# KiCad board poly_kb_wave_left.kicad_pcb (continued)
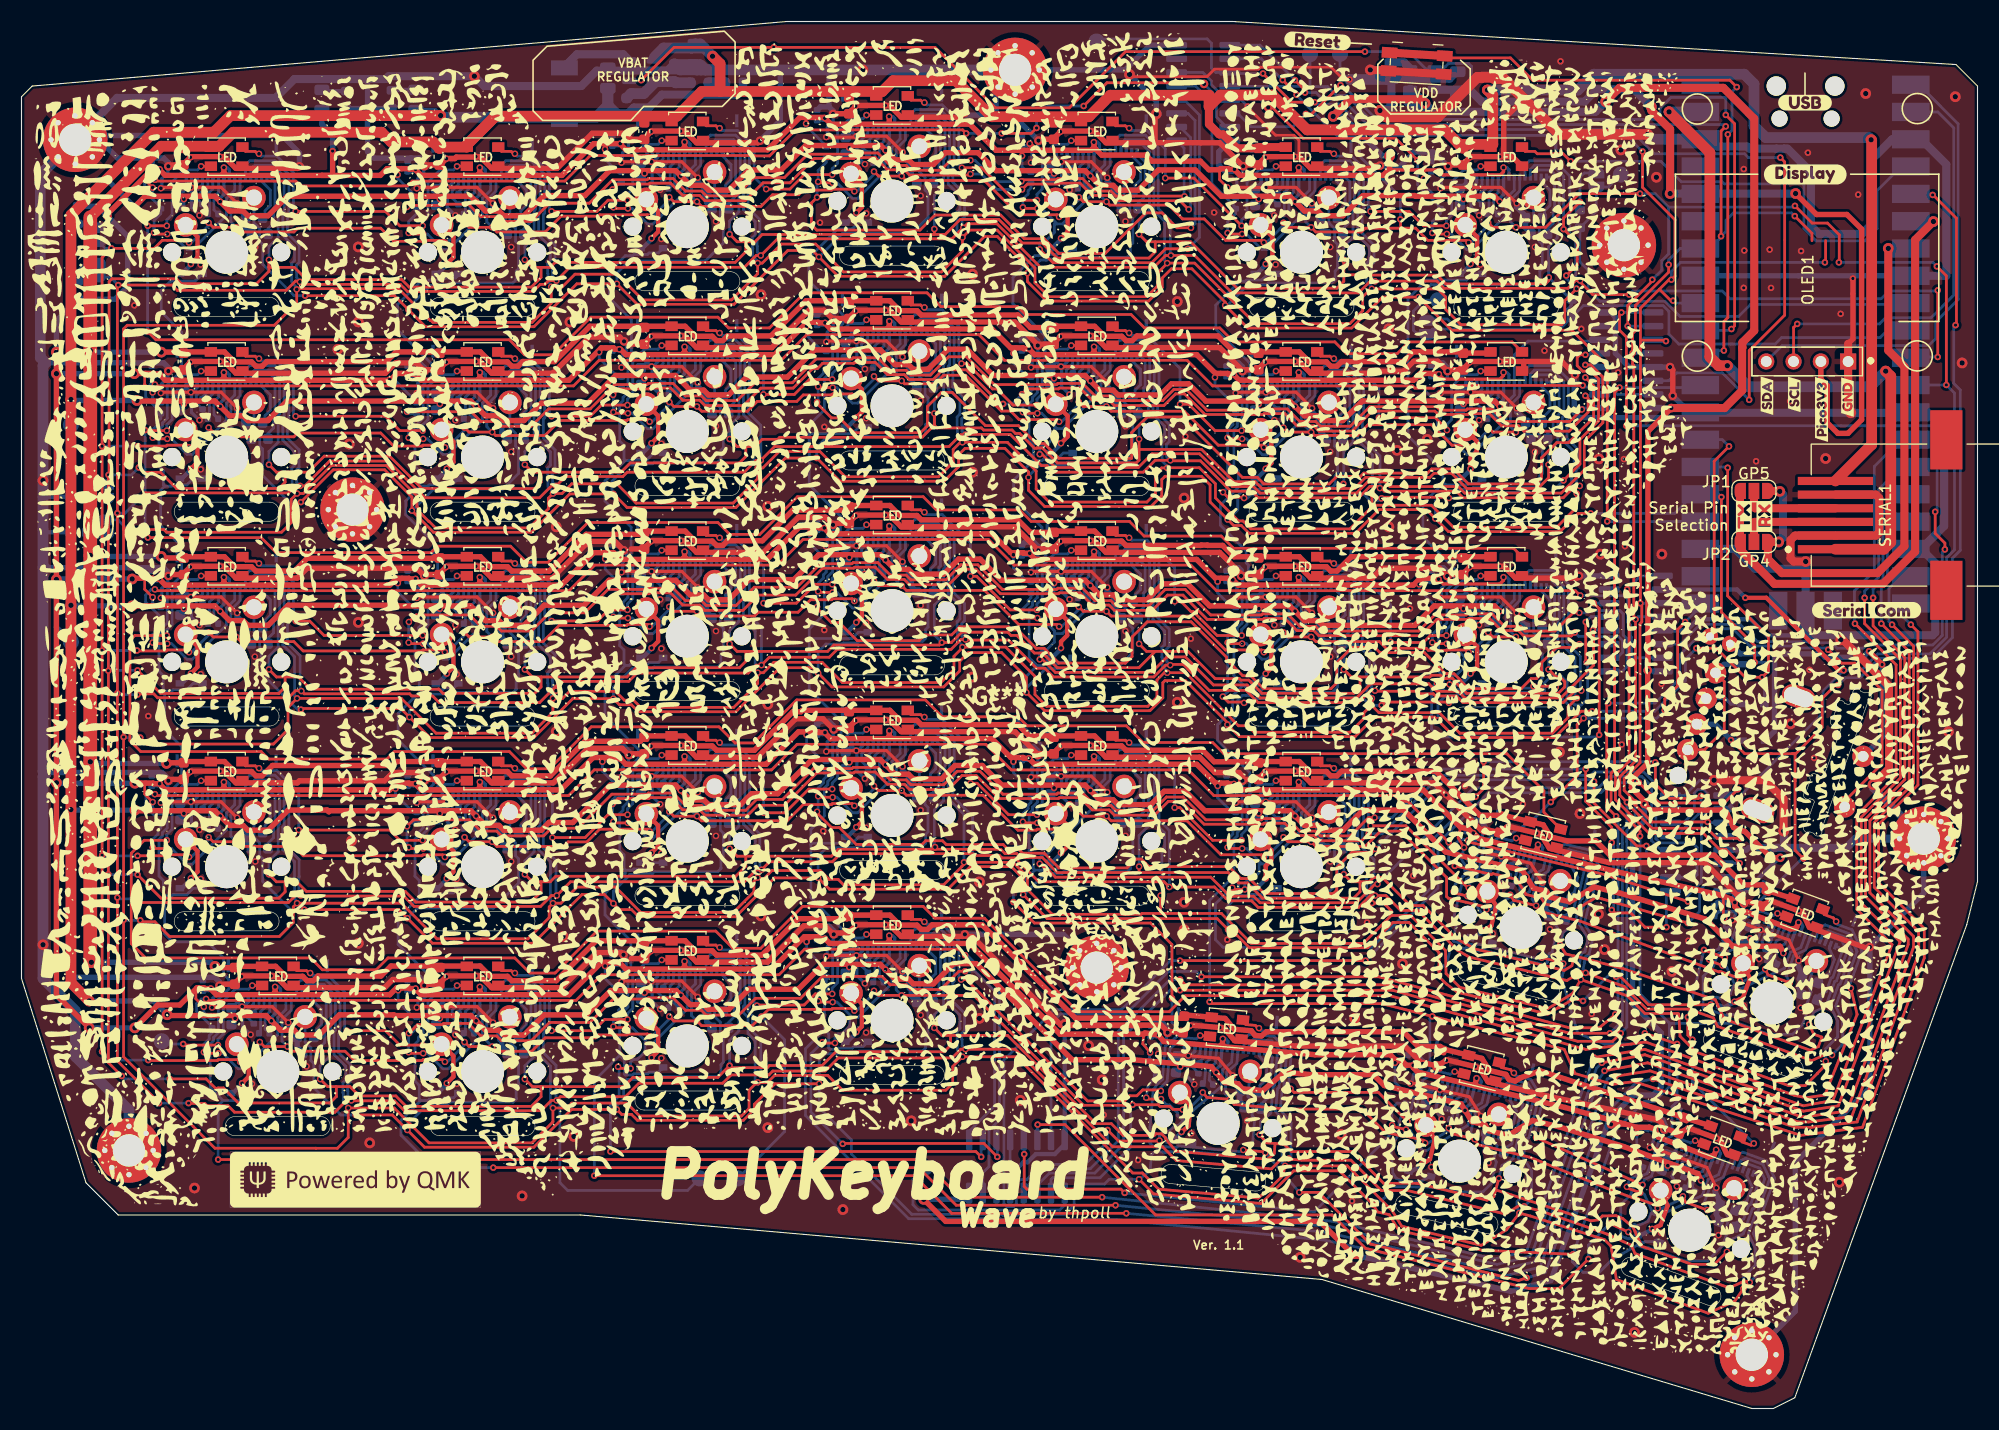
[diagram p0: board, top side]
## Placement (name value [footprint] x y rotation side) (continued)
D1_29  D_Small  [D_SOD-323Ext]  20.55 29.34 180 bottom
D1_30  D_Small  [D_SOD-323Ext]  39.6 29.34 180 bottom
D1_31  D_Small  [D_SOD-323Ext]  58.65 31.72 180 bottom
D1_32  D_Small  [D_SOD-323Ext]  77.7 34.1 180 bottom
D1_33  D_Small  [D_SOD-323Ext]  107.88 24.81 175 bottom
D1_34  D_Small  [D_SOD-323Ext]  130.12 21.83 166.5 bottom
D1_35  D_Small  [D_SOD-323Ext]  151.44 15.83 160 bottom
D1_36  D_Small  [D_SOD-323Ext]  159.1 36.97 160 bottom
D5  Blue  [LED_0805_2012Metric]  27.95 121.7 270 bottom
D6  Yellow  [LED_0805_2012Metric]  36.7 121.7 270 bottom
D10  D_Small  [D_SOD-323Ext]  161.25 69.21 0 bottom
D11  D_Small  [D_SOD-323Ext]  161.12 65.52 0 bottom
D12  D_Small  [D_SOD-323Ext]  161.19 62.12 0 bottom
ENC1  RotaryEncoder_Switch  [EVQWGD001_ALPS-EC11]  161.77 62.71 70 top
G***  LOGO  [background]  90.95 66.2 0 top
H1  MountingHole_Pad  [MountingHole_3mm_Pad_Via]  100.05 41 0 top
H2  MountingHole_Pad  [MountingHole_3mm_Pad_Via]  10 24 0 top
H3  MountingHole_Pad  [MountingHole_3mm_Pad_Via]  161 5 0 top
H4  MountingHole_Pad  [MountingHole_3mm_Pad_Via]  177 53 0 top
H5  MountingHole_Pad  [MountingHole_3mm_Pad_Via]  92.45 124.5 0 top
H6  MountingHole_Pad  [MountingHole_3mm_Pad_Via]  5 118 0 top
H7  MountingHole_Pad  [MountingHole_3mm_Pad_Via]  30.8 83.6 0 top
H8  MountingHole_Pad  [MountingHole_3mm_Pad_Via]  149.1 108.2 0 top
JP1  RX_SEL  [SolderJumper-3_P1.3mm_Open_RoundedPad1.0x1.5mm_NumberLabels]  161.2 85.34 0 top
JP2  TX_SEL  [SolderJumper-3_P1.3mm_Open_RoundedPad1.0x1.5mm_NumberLabels]  161.2 80.6 0 top
JP3  SolderJumper_2_Open  [SolderJumper-2_P1.3mm_Open_RoundedPad1.0x1.5mm]  7.09 109.18 270 bottom
JP4  SolderJumper_2_Open  [SolderJumper-2_P1.3mm_Open_RoundedPad1.0x1.5mm]  7.09 105.88 270 bottom
JP5  SolderJumper_2_Open  [SolderJumper-2_P1.3mm_Open_RoundedPad1.0x1.5mm]  7.85 85.3 90 bottom
JP6  SolderJumper_2_Open  [SolderJumper-2_P1.3mm_Open_RoundedPad1.0x1.5mm]  7.85 82 90 bottom
JP7  SolderJumper_2_Open  [SolderJumper-2_P1.3mm_Open_RoundedPad1.0x1.5mm]  146.53 114.26 270 bottom
JP8  SolderJumper_2_Open  [SolderJumper-2_P1.3mm_Open_RoundedPad1.0x1.5mm]  130.78 100.54 270 bottom
kibuzzard-62D681A5  G***  [kibuzzard-62D681A5]  69.19 107.53 0 top
kibuzzard-62D681D2  G***  [kibuzzard-62D681D2]  88.37 109.82 0 top
kibuzzard-62D681EA  G***  [kibuzzard-62D681EA]  107.29 107.4 0 top
kibuzzard-62D681FA  G***  [kibuzzard-62D681FA]  126.34 105.12 0 top
kibuzzard-62D692AB  G***  [kibuzzard-62D692AB]  88.49 90.77 0 top
kibuzzard-62D692B7  G***  [kibuzzard-62D692B7]  107.8 88.48 0 top
kibuzzard-62D692D0  G***  [kibuzzard-62D692D0]  126.59 85.94 0 top
kibuzzard-62D692F5  G***  [kibuzzard-62D692F5]  145.64 86.07 0 top
kibuzzard-62D693C0  G***  [kibuzzard-62D693C0]  26.77 47.84 0 top
kibuzzard-62D693CB  G***  [kibuzzard-62D693CB]  50.39 47.84 0 top
kibuzzard-62D693D5  G***  [kibuzzard-62D693D5]  69.7 50.13 0 top
kibuzzard-62D693DE  G***  [kibuzzard-62D693DE]  88.75 52.67 0 top
kibuzzard-62D693EB  G***  [kibuzzard-62D693EB]  107.8 50.13 0 top
kibuzzard-62D693F8  G***  [kibuzzard-62D693F8]  126.72 47.84 0 top
kibuzzard-62D694DD  G***  [kibuzzard-62D694DD]  150.69 60.9 0 top
kibuzzard-62D6814A  G***  [kibuzzard-62D6814A]  26.26 104.99 0 top
kibuzzard-62D6820E  G***  [kibuzzard-62D6820E]  146.79 118.07 0 top
kibuzzard-62D6931E  G***  [kibuzzard-62D6931E]  26.64 67.02 0 top
kibuzzard-62D6932A  G***  [kibuzzard-62D6932A]  50.39 67.02 0 top
kibuzzard-62D6935B  G***  [kibuzzard-62D6935B]  107.8 69.3 0 top
kibuzzard-62D6937A  G***  [kibuzzard-62D6937A]  145.77 66.25 0 top
kibuzzard-62D6941A  G***  [kibuzzard-62D6941A]  31.34 28.92 0 top
kibuzzard-62D6942E  G***  [kibuzzard-62D6942E]  69.7 31.2 0 top
kibuzzard-62D6943F  G***  [kibuzzard-62D6943F]  88.75 33.36 0 top
kibuzzard-62D6946B  G***  [kibuzzard-62D6946B]  169.14 32.98 0 top
kibuzzard-62D6952F  G***  [kibuzzard-62D6952F]  170.96 58.33 0 top
kibuzzard-62D68172  G***  [kibuzzard-62D68172]  50.14 105.12 0 top
kibuzzard-62D68224  G***  [kibuzzard-62D68224]  26.26 86.07 0 top
kibuzzard-62D68241  G***  [kibuzzard-62D68241]  50.14 86.07 0 top
kibuzzard-62D68255  G***  [kibuzzard-62D68255]  69.44 88.35 0 top
kibuzzard-62D69336  G***  [kibuzzard-62D69336]  69.57 69.18 0 top
kibuzzard-62D69342  G***  [kibuzzard-62D69342]  88.62 71.72 0 top
kibuzzard-62D69364  G***  [kibuzzard-62D69364]  126.59 67.02 0 top
kibuzzard-62D69409  G***  [kibuzzard-62D69409]  146.02 40.73 0 top
kibuzzard-62D69424  G***  [kibuzzard-62D69424]  50.52 28.92 0 top
kibuzzard-62D69449  G***  [kibuzzard-62D69449]  118.85 23.46 0 top
kibuzzard-62D69456  G***  [kibuzzard-62D69456]  140.69 18.88 0 top
kibuzzard-62D69460  G***  [kibuzzard-62D69460]  161.52 11.9 0 top
kibuzzard-62D69509  G***  [kibuzzard-62D69509]  152.43 65.75 0 top
kibuzzard-623AC7A3  G***  [kibuzzard-623AC7A3]  164.95 94.32 90 top
kibuzzard-623AC7B1  G***  [kibuzzard-623AC7B1]  169.9 94.07 90 top
kibuzzard-623AC7CA  G***  [kibuzzard-623AC7CA]  167.49 92.92 90 top
kibuzzard-623AC795  G***  [kibuzzard-623AC795]  162.41 94.19 90 top
kibuzzard-623B8224  G***  [kibuzzard-623B8224]  131 126.6 180 bottom
kibuzzard-623B8387  G***  [kibuzzard-623B8387]  58.8 126.8 180 bottom
kibuzzard-6239D6D9  G***  [kibuzzard-6239D6D9]  162.17 82.96 90 top
kibuzzard-6239D54D  G***  [kibuzzard-6239D54D]  165.97 114.78 0 top
kibuzzard-6239D684  G***  [kibuzzard-6239D684]  160.26 82.97 90 top
kibuzzard-6239E2C3  G***  [kibuzzard-6239E2C3]  120.6 127.2 356.5 top
kibuzzard-6239E341  G***  [kibuzzard-6239E341]  165.95 121.45 0 top
kibuzzard-6239E398  G***  [kibuzzard-6239E398]  171.68 74.26 0 top
kibuzzard-6241BC5F  G***  [kibuzzard-6241BC5F]  179.57 122.66 180 bottom
kibuzzard-6241BC7E  G***  [kibuzzard-6241BC7E]  179.44 120.1 180 bottom
kibuzzard-6241BCBC  G***  [kibuzzard-6241BCBC]  179.68 115.09 180 bottom
kibuzzard-6241BD1C  G***  [kibuzzard-6241BD1C]  179.2 109.93 180 bottom
kibuzzard-6241BD2A  G***  [kibuzzard-6241BD2A]  179.12 107.39 180 bottom
kibuzzard-6241C0EF  G***  [kibuzzard-6241C0EF]  179.52 89.54 180 bottom
kibuzzard-6241C02F  G***  [kibuzzard-6241C02F]  129.77 104.35 270 bottom
kibuzzard-6241C02F#2  G***  [kibuzzard-6241C02F]  179.67 99.75 180 bottom
kibuzzard-6241C5E0  G***  [kibuzzard-6241C5E0]  152.22 82.01 180 bottom
kibuzzard-6241C010  G***  [kibuzzard-6241C010]  149.83 118.07 270 bottom
kibuzzard-6241C010#2  G***  [kibuzzard-6241C010]  179.71 102.27 180 bottom
kibuzzard-6241C44B  G***  [kibuzzard-6241C44B]  179.65 112.33 180 bottom
kibuzzard-6241C049  G***  [kibuzzard-6241C049]  179.5 97.17 180 bottom
kibuzzard-6241C049#2  G***  [kibuzzard-6241C049]  63.12 18.55 180 bottom
kibuzzard-6241C49F  G***  [kibuzzard-6241C49F]  152.89 122.67 180 bottom
kibuzzard-6241C60B  G***  [kibuzzard-6241C60B]  152.11 84.57 180 bottom
kibuzzard-6241C61F  G***  [kibuzzard-6241C61F]  152.13 87.22 180 bottom
kibuzzard-6241C62D  G***  [kibuzzard-6241C62D]  152.15 89.74 180 bottom
kibuzzard-6241C63A  G***  [kibuzzard-6241C63A]  147.04 89.37 180 bottom
kibuzzard-6241C067  G***  [kibuzzard-6241C067]  179.48 94.64 180 bottom
kibuzzard-6241C101  G***  [kibuzzard-6241C101]  179.68 81.8 180 bottom
kibuzzard-6241C115  G***  [kibuzzard-6241C115]  179.68 86.92 180 bottom
kibuzzard-6241C123  G***  [kibuzzard-6241C123]  179.69 84.36 180 bottom
kibuzzard-6241C131  G***  [kibuzzard-6241C131]  179.6 76.75 180 bottom
kibuzzard-6241C140  G***  [kibuzzard-6241C140]  179.64 74.19 180 bottom
kibuzzard-6241C426  G***  [kibuzzard-6241C426]  155.69 70.99 270 bottom
kibuzzard-6241C480  G***  [kibuzzard-6241C480]  151.04 112.47 180 bottom
kibuzzard-6242D5F9  G***  [kibuzzard-6242D5F9]  121.31 121.96 270 bottom
kibuzzard-6242D5F9#2  G***  [kibuzzard-6242D5F9]  140.44 100.29 180 bottom
kibuzzard-6242D7A6  G***  [kibuzzard-6242D7A6]  79 22.38 180 bottom
kibuzzard-6242D7C8  G***  [kibuzzard-6242D7C8]  66.65 24.48 180 bottom
kibuzzard-6242D616  G***  [kibuzzard-6242D616]  101.78 125 270 bottom
kibuzzard-6242D616#2  G***  [kibuzzard-6242D616]  150.47 103.08 180 bottom
kibuzzard-6242D666  G***  [kibuzzard-6242D666]  143.74 104.48 180 bottom
kibuzzard-6242D666#2  G***  [kibuzzard-6242D666]  118.44 121.83 270 bottom
kibuzzard-6242D823  G***  [kibuzzard-6242D823]  27.95 124.2 180 bottom
kibuzzard-6242D823#2  G***  [kibuzzard-6242D823]  4.65 67.95 180 bottom
kibuzzard-6242D838  G***  [kibuzzard-6242D838]  4.67 88.23 180 bottom
kibuzzard-6242D838#2  G***  [kibuzzard-6242D838]  36.7 124.2 180 bottom
L1  4.7uH  [MCS0530-4R7MN2]  50.52 122.29 270 bottom
LED1  -  [WS2812B-Mini]  19.09 116.43 0 top
LED2  -  [WS2812B-Mini]  42.9 116.43 0 top
LED3  -  [WS2812B-Mini]  61.95 118.81 0 top
LED4  -  [WS2812B-Mini]  81 121.19 0 top
LED5  -  [WS2812B-Mini]  100.05 118.81 0 top
LED6  -  [WS2812B-Mini]  119.1 116.43 0 top
LED7  -  [WS2812B-Mini]  138.15 116.43 0 top
LED8  -  [WS2812B-Mini]  19.09 97.38 0 top
LED9  -  [WS2812B-Mini]  42.9 97.38 0 top
LED10  -  [WS2812B-Mini]  61.95 99.76 0 top
LED11  -  [WS2812B-Mini]  81 102.14 0 top
LED12  -  [WS2812B-Mini]  100.05 99.76 0 top
LED13  -  [WS2812B-Mini]  119.1 97.38 0 top
LED14  -  [WS2812B-Mini]  138.15 97.38 0 top
LED15  -  [WS2812B-Mini]  19.09 78.33 0 top
LED16  -  [WS2812B-Mini]  42.9 78.33 0 top
LED17  -  [WS2812B-Mini]  61.95 80.71 0 top
LED18  -  [WS2812B-Mini]  81 83.09 0 top
LED19  -  [WS2812B-Mini]  100.05 80.71 0 top
LED20  -  [WS2812B-Mini]  119.1 78.33 0 top
LED21  -  [WS2812B-Mini]  138.15 78.33 0 top
LED22  -  [WS2812B-Mini]  19.09 59.28 0 top
LED23  -  [WS2812B-Mini]  42.9 59.28 0 top
LED24  -  [WS2812B-Mini]  61.95 61.66 0 top
LED25  -  [WS2812B-Mini]  81 64.05 0 top
LED26  -  [WS2812B-Mini]  100.05 61.66 0 top
LED27  -  [WS2812B-Mini]  119.1 59.28 0 top
LED28  -  [WS2812B-Mini]  141.59 53.37 346.5 top
LED29  -  [WS2812B-Mini]  23.85 40.23 0 top
LED30  -  [WS2812B-Mini]  42.9 40.23 0 top
LED31  -  [WS2812B-Mini]  61.95 42.61 0 top
LED32  -  [WS2812B-Mini]  81 44.99 0 top
LED33  -  [WS2812B-Mini]  112.12 35.37 355 top
LED34  -  [WS2812B-Mini]  135.87 31.65 346.5 top
LED35  -  [WS2812B-Mini]  158.27 24.94 340 top
LED36  -  [WS2812B-Mini]  165.92 46.08 340 top
OLED1  OPT_OLED_DISPLAY  [SSD1306_THT_OLED_DISPLAY_128X64_0-92INCH]  166.15 97.38 90 top
R1  10k  [R_0603_1608Metric]  5.25 111 270 bottom
R1_1  10k  [R_0402_1005Metric]  12.96 112.1 270 bottom
R1_2  10k  [R_0402_1005Metric]  36.77 112.1 270 bottom
R1_3  10k  [R_0402_1005Metric]  55.82 114.48 270 bottom
R1_4  10k  [R_0402_1005Metric]  74.88 116.86 270 bottom
R1_5  10k  [R_0402_1005Metric]  93.93 114.48 270 bottom
R1_6  10k  [R_0402_1005Metric]  112.97 112.1 270 bottom
R1_7  10k  [R_0402_1005Metric]  132.03 112.1 270 bottom
R1_8  10k  [R_0402_1005Metric]  12.96 93.05 270 bottom
R1_9  10k  [R_0402_1005Metric]  36.77 93.05 270 bottom
R1_10  10k  [R_0402_1005Metric]  55.82 95.43 270 bottom
R1_11  10k  [R_0402_1005Metric]  74.88 97.81 270 bottom
R1_12  10k  [R_0402_1005Metric]  93.93 95.43 270 bottom
R1_13  10k  [R_0402_1005Metric]  112.97 93.05 270 bottom
R1_14  10k  [R_0402_1005Metric]  132.03 93.05 270 bottom
R1_15  10k  [R_0402_1005Metric]  12.96 74 270 bottom
R1_16  10k  [R_0402_1005Metric]  36.77 74 270 bottom
R1_17  10k  [R_0402_1005Metric]  55.82 76.38 270 bottom
R1_18  10k  [R_0402_1005Metric]  74.88 78.76 270 bottom
R1_19  10k  [R_0402_1005Metric]  93.93 76.38 270 bottom
R1_20  10k  [R_0402_1005Metric]  112.97 74 270 bottom
R1_21  10k  [R_0402_1005Metric]  132.03 74 270 bottom
R1_22  10k  [R_0402_1005Metric]  12.96 54.95 270 bottom
R1_23  10k  [R_0402_1005Metric]  36.77 54.95 270 bottom
R1_24  10k  [R_0402_1005Metric]  55.82 57.33 270 bottom
R1_25  10k  [R_0402_1005Metric]  74.88 59.71 270 bottom
R1_26  10k  [R_0402_1005Metric]  93.93 57.33 270 bottom
R1_27  10k  [R_0402_1005Metric]  112.97 54.95 270 bottom
R1_28  10k  [R_0402_1005Metric]  134.62 50.58 256.5 bottom
R1_29  10k  [R_0402_1005Metric]  17.73 35.9 270 bottom
R1_30  10k  [R_0402_1005Metric]  36.77 35.9 270 bottom
R1_31  10k  [R_0402_1005Metric]  55.82 38.28 270 bottom
R1_32  10k  [R_0402_1005Metric]  74.88 40.66 270 bottom
R1_33  10k  [R_0402_1005Metric]  105.64 31.59 265 bottom
R1_34  10k  [R_0402_1005Metric]  128.91 28.87 256.5 bottom
R1_35  10k  [R_0402_1005Metric]  151.03 22.96 250 bottom
R1_36  10k  [R_0402_1005Metric]  158.69 44.1 250 bottom
R2  22  [R_0603_1608Metric]  145.01 110.64 90 bottom
R3  22  [R_0603_1608Metric]  144.25 102.32 90 bottom
R4  10k  [R_0603_1608Metric]  5.25 104 90 bottom
R5  1k  [R_0603_1608Metric]  30.2 121.7 90 bottom
R6  1k  [R_0603_1608Metric]  34.45 121.78 90 bottom
R10  390k  [R_0603_1608Metric]  66.3 123.3 0 bottom
R11  390k  [R_0603_1608Metric]  63.1 123.3 0 bottom
R12  150k  [R_0603_1608Metric]  60.74 124.24 270 bottom
R13  22k  [R_0603_1608Metric]  127.29 124.37 270 bottom
RESET1  SW_Push  [Panasonic_EVQPUK_EVQPUB]  129.81 125.1 356.5 top
SERIAL1  RJ12  [MOLEX_85502-5007_6P6C_90DEG]  168.78 83.09 90 top
SW_K_1  CheeryMX KeySwitch  [SW_Cherry_MX_1.00u_PCB_NoSilk]  21.63 112.62 0 top
SW_K_2  CheeryMX KeySwitch  [SW_Cherry_MX_1.00u_PCB_NoSilk]  45.44 112.62 0 top
SW_K_3  CheeryMX KeySwitch  [SW_Cherry_MX_1.00u_PCB_NoSilk]  64.49 115 0 top
SW_K_4  CheeryMX KeySwitch  [SW_Cherry_MX_1.00u_PCB_NoSilk]  83.54 117.38 0 top
SW_K_5  CheeryMX KeySwitch  [SW_Cherry_MX_1.00u_PCB_NoSilk]  102.59 115 0 top
SW_K_6  CheeryMX KeySwitch  [SW_Cherry_MX_1.00u_PCB_NoSilk]  121.64 112.62 0 top
SW_K_7  CheeryMX KeySwitch  [SW_Cherry_MX_1.00u_PCB_NoSilk]  140.69 112.62 0 top
SW_K_8  CheeryMX KeySwitch  [SW_Cherry_MX_1.00u_PCB_NoSilk]  21.63 93.57 0 top
SW_K_9  CheeryMX KeySwitch  [SW_Cherry_MX_1.00u_PCB_NoSilk]  45.44 93.57 0 top
SW_K_10  CheeryMX KeySwitch  [SW_Cherry_MX_1.00u_PCB_NoSilk]  64.49 95.95 0 top
SW_K_11  CheeryMX KeySwitch  [SW_Cherry_MX_1.00u_PCB_NoSilk]  83.54 98.33 0 top
SW_K_12  CheeryMX KeySwitch  [SW_Cherry_MX_1.00u_PCB_NoSilk]  102.59 95.95 0 top
SW_K_13  CheeryMX KeySwitch  [SW_Cherry_MX_1.00u_PCB_NoSilk]  121.64 93.57 0 top
SW_K_14  CheeryMX KeySwitch  [SW_Cherry_MX_1.00u_PCB_NoSilk]  140.69 93.57 0 top
SW_K_15  CheeryMX KeySwitch  [SW_Cherry_MX_1.00u_PCB_NoSilk]  21.63 74.52 0 top
SW_K_16  CheeryMX KeySwitch  [SW_Cherry_MX_1.00u_PCB_NoSilk]  45.44 74.52 0 top
SW_K_17  CheeryMX KeySwitch  [SW_Cherry_MX_1.00u_PCB_NoSilk]  64.49 76.9 0 top
SW_K_18  CheeryMX KeySwitch  [SW_Cherry_MX_1.00u_PCB_NoSilk]  83.54 79.28 0 top
SW_K_19  CheeryMX KeySwitch  [SW_Cherry_MX_1.00u_PCB_NoSilk]  102.59 76.9 0 top
SW_K_20  CheeryMX KeySwitch  [SW_Cherry_MX_1.00u_PCB_NoSilk]  121.64 74.52 0 top
SW_K_21  CheeryMX KeySwitch  [SW_Cherry_MX_1.00u_PCB_NoSilk]  140.69 74.52 0 top
SW_K_22  CheeryMX KeySwitch  [SW_Cherry_MX_1.00u_PCB_NoSilk]  21.63 55.47 0 top
SW_K_23  CheeryMX KeySwitch  [SW_Cherry_MX_1.00u_PCB_NoSilk]  45.44 55.47 0 top
SW_K_24  CheeryMX KeySwitch  [SW_Cherry_MX_1.00u_PCB_NoSilk]  64.49 57.85 0 top
SW_K_25  CheeryMX KeySwitch  [SW_Cherry_MX_1.00u_PCB_NoSilk]  83.54 60.23 0 top
SW_K_26  CheeryMX KeySwitch  [SW_Cherry_MX_1.00u_PCB_NoSilk]  102.59 57.85 0 top
SW_K_27  CheeryMX KeySwitch  [SW_Cherry_MX_1.00u_PCB_NoSilk]  121.64 55.47 0 top
SW_K_28  CheeryMX KeySwitch  [SW_Cherry_MX_1.00u_PCB_NoSilk]  143.17 49.07 346.5 top
SW_K_29  CheeryMX KeySwitch  [SW_Cherry_MX_1.00u_PCB_NoSilk]  26.39 36.42 0 top
SW_K_30  CheeryMX KeySwitch  [SW_Cherry_MX_1.00u_PCB_NoSilk]  45.44 36.42 0 top
SW_K_31  CheeryMX KeySwitch  [SW_Cherry_MX_1.00u_PCB_NoSilk]  64.49 38.8 0 top
SW_K_32  CheeryMX KeySwitch  [SW_Cherry_MX_1.00u_PCB_NoSilk]  83.54 41.19 0 top
SW_K_33  CheeryMX KeySwitch  [SW_Cherry_MX_1.00u_PCB_NoSilk]  114.32 31.36 355 top
SW_K_34  CheeryMX KeySwitch  [SW_Cherry_MX_1.00u_PCB_NoSilk]  137.45 27.35 346.5 top
SW_K_35  CheeryMX KeySwitch  [SW_Cherry_MX_1.00u_PCB_NoSilk]  159.35 20.49 340 top
SW_K_36  CheeryMX KeySwitch  [SW_Cherry_MX_1.00u_PCB_NoSilk]  167.01 41.63 340 top
TP2  LED_ARR_END  [TestPoint_Pad_D1.5mm]  13.05 34.15 180 bottom
TP3  VBAT  [TestPoint_Pad_D1.5mm]  4.6 91.5 180 bottom
TP4  VDD  [TestPoint_Pad_D1.5mm]  4.6 71.3 180 bottom
TP5  SR_CARRY  [TestPoint_Pad_D1.5mm]  84.05 22.4 180 bottom
TP6  SR_LATCH  [TestPoint_Pad_D1.5mm]  119.89 125.97 180 bottom
TP7  SDIN  [TestPoint_Pad_D1.5mm]  131.8 103.08 180 bottom
TP8  SR_CLOCK  [TestPoint_Pad_D1.5mm]  100.02 127.14 180 bottom
TP9  SCLK  [TestPoint_Pad_D1.5mm]  148.82 114.77 180 bottom
TP10  SR_DATA  [TestPoint_Pad_D1.5mm]  122.68 126 180 bottom
TP11  D-C  [TestPoint_Pad_D1.5mm]  63.1 21.4 180 bottom
TP12  RESET  [TestPoint_Pad_D1.5mm]  66.65 21.4 180 bottom
U1  Pico  [RPi_Pico_SMD]  166 99 180 bottom
U2  TD6811  [TSOT-23-5]  57.7 124.43 0 bottom
U3  MT9700  [SOT-23-5]  130.35 123.68 0 bottom
U4  74HCT595  [SOIC-16_3.9x9.9mm_P1.27mm]  109.96 122.36 0 bottom
U5  74HCT595  [SOIC-16_3.9x9.9mm_P1.27mm]  149.33 97.5 0 bottom
U6  74HCT595  [SOIC-16_3.9x9.9mm_P1.27mm]  150.2 73 0 bottom
U7  74HCT595  [SOIC-16_3.9x9.9mm_P1.27mm]  155.91 52.58 0 bottom
U8  74HCT595  [SOIC-16_3.9x9.9mm_P1.27mm]  92.62 22.52 270 bottom

## Library data of the parts
C1 C2 = -: JLC: 0603; LCSC: C1634
C1_1-C1_36 C2_1-C2_36 = -: JLC: 0603; LCSC: C23630
C3_1-C3_36 C5_1-C5_36 C6_1-C6_36 = -: JLC: 0402; LCSC: C52923
C4_1-C4_36 = -: JLC: 0603; LCSC: C19666
C10 C12-C14 = -: JLC: 0805; LCSC: C15850
C11 = -: JLC: 0603; LCSC: C1653
CONN1-CONN36 = -: JLC: AtomConnect2; LCSC: C561388
D1_1-D1_36 = -: JLC: D_SOD-323Ext; LCSC: C2128
D5 = -: JLC: 0805; LCSC: C2293
D6 = -: JLC: 0805; LCSC: C2296
D10-D12 = -: JLC: 0805; LCSC: C2128
ENC1 = -: Field4: EVQ; Field5: EC11
JP1 JP2 = -: Field4: 1; Field5: 3
L1 = -: JLC: L_PANASONIC_ELT5KT; LCSC: C2836880
LED1-LED36 = -: LCSC: C527089
R1 R4 = -: JLC: 0603; LCSC: C23162
R1_1-R1_36 = -: JLC: 0402; LCSC: C25744
R2 R3 = -: JLC: 0603; LCSC: C23345
R5 R6 = -: JLC: 0603; LCSC: C21190
R10 R11 = -: JLC: 0603; LCSC: C23150
R12 = -: JLC: 0603; LCSC: C22807
R13 = -: JLC: 0603; LCSC: C31850
RESET1 = -: JLC: Panasonic_EVQPUK_EVQPUB; LCSC: C526225
U1 = -: Field4: AGND; Field5: 3V3_EN; Field6: ADC_VREF
U2 = -: JLC: TSOT-23-5; LCSC: C189486
U3 = -: JLC: SOT-23-5; LCSC: C89855
U4-U8 = -: JLC: SOIC-16; LCSC: C282339

## Footprints (pads in the part's own frame, mm; a bottom-side part is the same pattern mirrored in y, then rotated)
C_0402_1005Metric
  rrect 0.56x0.62 smd: 1(-0.48,0) 2(0.48,0)
C_0603_1608Metric
  rrect 0.9x0.95 smd: 1(-0.775,0) 2(0.775,0)
C_0805_2012Metric
  rrect 1x1.45 smd: 1(-0.95,0) 2(0.95,0)
D_SOD-323Ext
  rect 0.8x0.6 smd: 1(-1.05,0) 2(1.05,0)
EVQWGD001_ALPS-EC11
  oval 2x3.2 hole 1.5x2.8 unplated: (-6.725,-2.188) (4.475,-2.188)
  round 1.6 hole 1.6 unplated: (-6.21,5.85)
  round 2 hole 1: A(-3.67,5.85) A(3.95,5.85) B(1.41,5.85) C(-1.13,5.85) S1(-3.658,-9.703) S2(1.342,-9.703)
  round 1.524 hole 0.762: S1(6.95,7.5)
  oval 1.524x1.524 hole 0.762: S2(6.95,5.5)
FPC_16_JUSHUO_AFC05_S16FIA_00_Rev2
  rect 0.3x1.2 smd: 0(-4.61,-2.86) 0(4.61,-2.86)
  rect 0.3x0.65 smd: 1(-3.75,0) 2(-3.25,0) 3(-2.75,0) 4(-2.25,0) 5(-1.75,0) 6(-1.25,0) 7(-0.75,0) 8(-0.25,0) 9(0.25,0) 10(0.75,0) 11(1.25,0) 12(1.75,0) 13(2.25,0) 14(2.75,0) 15(3.25,0) 16(3.75,0)
LED_0805_2012Metric
  rrect 0.975x1.4 smd: 1(-0.938,0) 2(0.938,0)
MCS0530-4R7MN2
  rect 1.4x2.5 smd: 1(-2.4,0) 2(2.4,0)
MOLEX_85502-5007_6P6C_90DEG
  rect 5.5x3 smd: 0(-7,-10.325) 0(7,-10.325)
  rect 0.76x7 smd: 1(-3.175,0) 2(-1.905,0) 3(-0.635,0) 4(0.635,0) 5(1.905,0) 6(3.175,0)
MountingHole_3mm_Pad_Via
  round 0.8 hole 0.5: 1(-2.25,0) 1(-1.591,1.591) 1(-1.591,-1.591) 1(0,2.25) 1(0,-2.25) 1(1.591,1.591) 1(1.591,-1.591) 1(2.25,0)
  round 6 hole 3: 1(0,0)
Panasonic_EVQPUK_EVQPUB
  rect 1.45x1 smd: 1(-2.575,0.85) 1(2.575,0.85) 2(-2.575,-0.85) 2(2.575,-0.85)
R_0402_1005Metric
  rrect 0.54x0.64 smd: 1(-0.51,0) 2(0.51,0)
R_0603_1608Metric
  rrect 0.8x0.95 smd: 1(-0.825,0) 2(0.825,0)
RPi_Pico_SMD
  oval 1.8x1.8 hole 1.8 unplated: (-2.725,24) (2.725,24)
  oval 1.5x1.5 hole 1.5 unplated: (-2.425,20.97) (2.425,20.97)
  rect 3.5x1.7 smd: 1(-8.89,24.13) 2(-8.89,21.59) 3(-8.89,19.05) 4(-8.89,16.51) 5(-8.89,13.97) 6(-8.89,11.43) 7(-8.89,8.89) 8(-8.89,6.35) 9(-8.89,3.81) 10(-8.89,1.27) 11(-8.89,-1.27) 12(-8.89,-3.81) 13(-8.89,-6.35) 14(-8.89,-8.89) 15(-8.89,-11.43) 16(-8.89,-13.97) 17(-8.89,-16.51) 18(-8.89,-19.05) 19(-8.89,-21.59) 20(-8.89,-24.13) 21(8.89,-24.13) 22(8.89,-21.59) 23(8.89,-19.05) 24(8.89,-16.51) 25(8.89,-13.97) 26(8.89,-11.43) 27(8.89,-8.89) 28(8.89,-6.35) 29(8.89,-3.81) 30(8.89,-1.27) 31(8.89,1.27) 32(8.89,3.81) 33(8.89,6.35) 34(8.89,8.89) 35(8.89,11.43) 36(8.89,13.97) 37(8.89,16.51) 38(8.89,19.05) 39(8.89,21.59) 40(8.89,24.13)
  rect 1.7x3.5 smd: 41(-2.54,-23.9) 42(0,-23.9) 43(2.54,-23.9)
SOIC-16_3.9x9.9mm_P1.27mm
  rrect 1.95x0.6 smd: 1(-2.475,4.445) 2(-2.475,3.175) 3(-2.475,1.905) 4(-2.475,0.635) 5(-2.475,-0.635) 6(-2.475,-1.905) 7(-2.475,-3.175) 8(-2.475,-4.445) 9(2.475,-4.445) 10(2.475,-3.175) 11(2.475,-1.905) 12(2.475,-0.635) 13(2.475,0.635) 14(2.475,1.905) 15(2.475,3.175) 16(2.475,4.445)
SolderJumper-2_P1.3mm_Open_RoundedPad1.0x1.5mm
  custom 1x1.5 smd: 1(-0.65,0) 2(0.65,0)
SolderJumper-3_P1.3mm_Open_RoundedPad1.0x1.5mm_NumberLabels
  custom 1.05x1.5 smd: 1(-1.3,0) 3(1.3,0)
  rect 1x1.5 smd: 2(0,0)
SOT-23-5
  rrect 1.325x0.6 smd: 1(-1.137,0.95) 2(-1.137,0) 3(-1.137,-0.95) 4(1.137,-0.95) 5(1.137,0.95)
SSD1306_THT_OLED_DISPLAY_128X64_0-92INCH
  rect 1.5x1.5 hole 1: 1(0,-3.81)
  oval 1.5x1.5 hole 1: 2(0,-1.27) 3(0,1.27) 4(0,3.81)
SW_Cherry_MX_1.00u_PCB_NoSilk
  round 1.7 hole 1.7 unplated: (-7.62,-5.08) (2.54,-5.08)
  round 4 hole 4 unplated: (-2.54,-5.08)
  round 2.2 hole 1.5: 1(0,0) 2(-6.35,-2.54)
TestPoint_Pad_D1.5mm
  round 1.5 smd: 1(0,0)
TSOT-23-5
  rrect 1.325x0.6 smd: 1(-1.137,0.95) 2(-1.137,0) 3(-1.137,-0.95) 4(1.137,-0.95) 5(1.137,0.95)
WS2812B-Mini
  rect 1.15x0.9 smd: 1(-1.465,0.89) 2(-1.465,-0.89) 3(1.465,-0.89) 4(1.465,0.89)

## Nets
/K_1/VCC: C1_2.1 CONN2.16
/K_2/VCC: C1_3.1 CONN3.16
/K_3/VCC: C1_4.1 CONN4.16
/K_4/VCC: C1_5.1 CONN5.16
/K_5/VCC: C1_6.1 CONN6.16
/K_A/VCC: C1_16.1 CONN16.16
/K_B1/VCC: C1_29.1 CONN29.16
/K_B2/VCC: C1_30.1 CONN30.16
/K_B3/VCC: C1_31.1 CONN31.16
/K_B4/VCC: C1_32.1 CONN32.16
/K_B5/VCC: C1_33.1 CONN33.16
/K_B6/VCC: C1_34.1 CONN34.16
/K_B7/VCC: C1_35.1 CONN35.16
/K_B8/VCC: C1_36.1 CONN36.16
/K_B/VCC: C1_27.1 CONN27.16
/K_C/VCC: C1_25.1 CONN25.16
/K_D/VCC: C1_18.1 CONN18.16
/K_E/VCC: C1_11.1 CONN11.16
/K_F/VCC: C1_19.1 CONN19.16
/K_G/VCC: C1_20.1 CONN20.16
/K_L1/VCC: C1_1.1 CONN1.16
/K_L2/VCC: C1_8.1 CONN8.16
/K_L3/VCC: C1_15.1 CONN15.16
/K_L4/VCC: C1_22.1 CONN22.16
/K_L6/VCC: C1_7.1 CONN7.16
/K_L7/VCC: C1_14.1 CONN14.16
/K_L8/VCC: C1_21.1 CONN21.16
/K_L9/VCC: C1_28.1 CONN28.16
/K_Q/VCC: C1_9.1 CONN9.16
/K_R/VCC: C1_12.1 CONN12.16
/K_S/VCC: C1_17.1 CONN17.16
/K_T/VCC: C1_13.1 CONN13.16
/K_V/VCC: C1_26.1 CONN26.16
/K_W/VCC: C1_10.1 CONN10.16
/K_X/VCC: C1_24.1 CONN24.16
/K_Z/VCC: C1_23.1 CONN23.16
GND: C1.2 C1_1.2 C1_2.2 C1_3.2 C1_4.2 C1_5.2 C1_6.2 C1_7.2 C1_8.2 C1_9.2 C1_10.2 C1_11.2 C1_12.2 C1_13.2 C1_14.2 C1_15.2 C1_16.2 C1_17.2 C1_18.2 C1_19.2 C1_20.2 C1_21.2 C1_22.2 C1_23.2 C1_24.2 C1_25.2 C1_26.2 C1_27.2 C1_28.2 C1_29.2 C1_30.2 C1_31.2 C1_32.2 C1_33.2 C1_34.2 C1_35.2 C1_36.2 C2.2 C2_1.2 C2_2.2 C2_3.2 C2_4.2 C2_5.2 C2_6.2 C2_7.2 C2_8.2 C2_9.2 C2_10.2 C2_11.2 C2_12.2 C2_13.2 C2_14.2 C2_15.2 C2_16.2 C2_17.2 C2_18.2 C2_19.2 C2_20.2 C2_21.2 C2_22.2 C2_23.2 C2_24.2 C2_25.2 C2_26.2 C2_27.2 C2_28.2 C2_29.2 C2_30.2 C2_31.2 C2_32.2 C2_33.2 C2_34.2 C2_35.2 C2_36.2 C3_1.2 C3_2.2 C3_3.2 C3_4.2 C3_5.2 C3_6.2 C3_7.2 C3_8.2 C3_9.2 C3_10.2 C3_11.2 C3_12.2 C3_13.2 C3_14.2 C3_15.2 C3_16.2 C3_17.2 C3_18.2 C3_19.2 C3_20.2 C3_21.2 C3_22.2 C3_23.2 C3_24.2 C3_25.2 C3_26.2 C3_27.2 C3_28.2 C3_29.2 C3_30.2 C3_31.2 C3_32.2 C3_33.2 C3_34.2 C3_35.2 C3_36.2 C4_1.2 C4_2.2 C4_3.2 C4_4.2 C4_5.2 C4_6.2 C4_7.2 C4_8.2 C4_9.2 C4_10.2 C4_11.2 C4_12.2 C4_13.2 C4_14.2 C4_15.2 C4_16.2 C4_17.2 C4_18.2 C4_19.2 C4_20.2 C4_21.2 C4_22.2 C4_23.2 C4_24.2 C4_25.2 C4_26.2 C4_27.2 C4_28.2 C4_29.2 C4_30.2 C4_31.2 C4_32.2 C4_33.2 C4_34.2 C4_35.2 C4_36.2 C7_1.2 C7_2.2 C7_3.2 C7_4.2 C7_5.2 C7_6.2 C7_7.2 C7_8.2 C7_9.2 C7_10.2 C7_11.2 C7_12.2 C7_13.2 C7_14.2 C7_15.2 C7_16.2 C7_17.2 C7_18.2 C7_19.2 C7_20.2 C7_21.2 C7_22.2 C7_23.2 C7_24.2 C7_25.2 C7_26.2 C7_27.2 C7_28.2 C7_29.2 C7_30.2 C7_31.2 C7_32.2 C7_33.2 C7_34.2 C7_35.2 C7_36.2 C10.2 C12.2 C13.2 C14.2 CONN1.1 CONN1.3 CONN2.1 CONN2.3 CONN3.1 CONN3.3 CONN4.1 CONN4.3 CONN5.1 CONN5.3 CONN6.1 CONN6.3 CONN7.1 CONN7.3 CONN8.1 CONN8.3 CONN9.1 CONN9.3 CONN10.1 CONN10.3 CONN11.1 CONN11.3 CONN12.1 CONN12.3 CONN13.1 CONN13.3 CONN14.1 CONN14.3 CONN15.1 CONN15.3 CONN16.1 CONN16.3 CONN17.1 CONN17.3 CONN18.1 CONN18.3 CONN19.1 CONN19.3 CONN20.1 CONN20.3 CONN21.1 CONN21.3 CONN22.1 CONN22.3 CONN23.1 CONN23.3 CONN24.1 CONN24.3 CONN25.1 CONN25.3 CONN26.1 CONN26.3 CONN27.1 CONN27.3 CONN28.1 CONN28.3 CONN29.1 CONN29.3 CONN30.1 CONN30.3 CONN31.1 CONN31.3 CONN32.1 CONN32.3 CONN33.1 CONN33.3 CONN34.1 CONN34.3 CONN35.1 CONN35.3 CONN36.1 CONN36.3 H1.1 H2.1 H3.1 H4.1 H5.1 H6.1 H7.1 H8.1 LED1.3 LED2.3 LED3.3 LED4.3 LED5.3 LED6.3 LED7.3 LED8.3 LED9.3 LED10.3 LED11.3 LED12.3 LED13.3 LED14.3 LED15.3 LED16.3 LED17.3 LED18.3 LED19.3 LED20.3 LED21.3 LED22.3 LED23.3 LED24.3 LED25.3 LED26.3 LED27.3 LED28.3 LED29.3 LED30.3 LED31.3 LED32.3 LED33.3 LED34.3 LED35.3 LED36.3 OLED1.1 R5.1 R6.1 R12.1 R13.2 RESET1.2 SERIAL1.2 SERIAL1.5 U1.3 U1.8 U1.13 U1.18 U1.23 U1.28 U1.33 U1.38 U1.42 U2.2 U3.2 U4.8 U4.13 U5.8 U5.13 U6.8 U6.13 U7.8 U7.13 U8.8 U8.13
VBAT_DISP: C2_1.1 C2_2.1 C2_3.1 C2_4.1 C2_5.1 C2_6.1 C2_7.1 C2_8.1 C2_9.1 C2_10.1 C2_11.1 C2_12.1 C2_13.1 C2_14.1 C2_15.1 C2_16.1 C2_17.1 C2_18.1 C2_19.1 C2_20.1 C2_21.1 C2_22.1 C2_23.1 C2_24.1 C2_25.1 C2_26.1 C2_27.1 C2_28.1 C2_29.1 C2_30.1 C2_31.1 C2_32.1 C2_33.1 C2_34.1 C2_35.1 C2_36.1 C11.1 C12.1 CONN1.8 CONN2.8 CONN3.8 CONN4.8 CONN5.8 CONN6.8 CONN7.8 CONN8.8 CONN9.8 CONN10.8 CONN11.8 CONN12.8 CONN13.8 CONN14.8 CONN15.8 CONN16.8 CONN17.8 CONN18.8 CONN19.8 CONN20.8 CONN21.8 CONN22.8 CONN23.8 CONN24.8 CONN25.8 CONN26.8 CONN27.8 CONN28.8 CONN29.8 CONN30.8 CONN31.8 CONN32.8 CONN33.8 CONN34.8 CONN35.8 CONN36.8 D6.2 L1.2 R10.2 TP3.1
VBUS: C7_1.1 C7_2.1 C7_3.1 C7_4.1 C7_5.1 C7_6.1 C7_7.1 C7_8.1 C7_9.1 C7_10.1 C7_11.1 C7_12.1 C7_13.1 C7_14.1 C7_15.1 C7_16.1 C7_17.1 C7_18.1 C7_19.1 C7_20.1 C7_21.1 C7_22.1 C7_23.1 C7_24.1 C7_25.1 C7_26.1 C7_27.1 C7_28.1 C7_29.1 C7_30.1 C7_31.1 C7_32.1 C7_33.1 C7_34.1 C7_35.1 C7_36.1 C10.1 LED1.1 LED2.1 LED3.1 LED4.1 LED5.1 LED6.1 LED7.1 LED8.1 LED9.1 LED10.1 LED11.1 LED12.1 LED13.1 LED14.1 LED15.1 LED16.1 LED17.1 LED18.1 LED19.1 LED20.1 LED21.1 LED22.1 LED23.1 LED24.1 LED25.1 LED26.1 LED27.1 LED28.1 LED29.1 LED30.1 LED31.1 LED32.1 LED33.1 LED34.1 LED35.1 LED36.1 SERIAL1.6 U1.40 U2.4
VDD_DISP: C3_1.1 C3_2.1 C3_3.1 C3_4.1 C3_5.1 C3_6.1 C3_7.1 C3_8.1 C3_9.1 C3_10.1 C3_11.1 C3_12.1 C3_13.1 C3_14.1 C3_15.1 C3_16.1 C3_17.1 C3_18.1 C3_19.1 C3_20.1 C3_21.1 C3_22.1 C3_23.1 C3_24.1 C3_25.1 C3_26.1 C3_27.1 C3_28.1 C3_29.1 C3_30.1 C3_31.1 C3_32.1 C3_33.1 C3_34.1 C3_35.1 C3_36.1 C14.1 CONN1.9 CONN2.9 CONN3.9 CONN4.9 CONN5.9 CONN6.9 CONN7.9 CONN8.9 CONN9.9 CONN10.9 CONN11.9 CONN12.9 CONN13.9 CONN14.9 CONN15.9 CONN16.9 CONN17.9 CONN18.9 CONN19.9 CONN20.9 CONN21.9 CONN22.9 CONN23.9 CONN24.9 CONN25.9 CONN26.9 CONN27.9 CONN28.9 CONN29.9 CONN30.9 CONN31.9 CONN32.9 CONN33.9 CONN34.9 CONN35.9 CONN36.9 D5.2 R1.1 R1_1.1 R1_2.1 R1_3.1 R1_4.1 R1_5.1 R1_6.1 R1_7.1 R1_8.1 R1_9.1 R1_10.1 R1_11.1 R1_12.1 R1_13.1 R1_14.1 R1_15.1 R1_16.1 R1_17.1 R1_18.1 R1_19.1 R1_20.1 R1_21.1 R1_22.1 R1_23.1 R1_24.1 R1_25.1 R1_26.1 R1_27.1 R1_28.1 R1_29.1 R1_30.1 R1_31.1 R1_32.1 R1_33.1 R1_34.1 R1_35.1 R1_36.1 R4.1 TP4.1 U3.1 U4.16 U5.16 U6.16 U7.16 U8.16
/K_1/C1N: C6_2.2 CONN2.7
/K_1/C1P: C6_2.1 CONN2.6
/K_1/C2N: C5_2.2 CONN2.5
/K_1/C2P: C5_2.1 CONN2.4
/K_1/CS: CONN2.10 R1_2.2 U4.1
/K_1/LED_DIN: LED2.4 LED3.2
/K_1/LED_DOUT: LED1.4 LED2.2
/K_1/SW-D: D1_2.2 SW_K_2.2
/K_1/VCOMH: C4_2.1 CONN2.15
/K_2/C1N: C6_3.2 CONN3.7
/K_2/C1P: C6_3.1 CONN3.6
/K_2/C2N: C5_3.2 CONN3.5
/K_2/C2P: C5_3.1 CONN3.4
/K_2/CS: CONN3.10 R1_3.2 U4.2
/K_2/LED_DIN: LED3.4 LED4.2
/K_2/SW-D: D1_3.2 SW_K_3.2
/K_2/VCOMH: C4_3.1 CONN3.15
/K_3/C1N: C6_4.2 CONN4.7
/K_3/C1P: C6_4.1 CONN4.6
/K_3/C2N: C5_4.2 CONN4.5
/K_3/C2P: C5_4.1 CONN4.4
/K_3/CS: CONN4.10 R1_4.2 U4.3
/K_3/LED_DIN: LED4.4 LED5.2
/K_3/SW-D: D1_4.2 SW_K_4.2
/K_3/VCOMH: C4_4.1 CONN4.15
/K_4/C1N: C6_5.2 CONN5.7
/K_4/C1P: C6_5.1 CONN5.6
/K_4/C2N: C5_5.2 CONN5.5
/K_4/C2P: C5_5.1 CONN5.4
/K_4/CS: CONN5.10 R1_5.2 U4.4
/K_4/LED_DIN: LED5.4 LED6.2
/K_4/SW-D: D1_5.2 SW_K_5.2
/K_4/VCOMH: C4_5.1 CONN5.15
/K_5/C1N: C6_6.2 CONN6.7
/K_5/C1P: C6_6.1 CONN6.6
/K_5/C2N: C5_6.2 CONN6.5
/K_5/C2P: C5_6.1 CONN6.4
/K_5/CS: CONN6.10 R1_6.2 U4.5
/K_5/LED_DIN: LED6.4 LED7.2
/K_5/SW-D: D1_6.2 SW_K_6.2
/K_5/VCOMH: C4_6.1 CONN6.15
/K_A/C1N: C6_16.2 CONN16.7
/K_A/C1P: C6_16.1 CONN16.6
/K_A/C2N: C5_16.2 CONN16.5
/K_A/C2P: C5_16.1 CONN16.4
/K_A/CS: CONN16.10 R1_16.2 U6.1
/K_A/LED_DIN: LED16.4 LED17.2
/K_A/LED_DOUT: LED15.4 LED16.2
/K_A/SW-D: D1_16.2 SW_K_16.2
/K_A/VCOMH: C4_16.1 CONN16.15
/K_B1/C1N: C6_29.2 CONN29.7
/K_B1/C1P: C6_29.1 CONN29.6
/K_B1/C2N: C5_29.2 CONN29.5
/K_B1/C2P: C5_29.1 CONN29.4
/K_B1/CS: CONN29.10 R1_29.2 U8.15
/K_B1/LED_DIN: LED29.4 LED30.2
/K_B1/LED_DOUT: LED29.2 TP2.1
/K_B1/SW-D: D1_29.2 SW_K_29.2
/K_B1/VCOMH: C4_29.1 CONN29.15
/K_B2/C1N: C6_30.2 CONN30.7
/K_B2/C1P: C6_30.1 CONN30.6
/K_B2/C2N: C5_30.2 CONN30.5
/K_B2/C2P: C5_30.1 CONN30.4
/K_B2/CS: CONN30.10 R1_30.2 U8.1
/K_B2/LED_DIN: LED30.4 LED31.2
/K_B2/SW-D: D1_30.2 SW_K_30.2
/K_B2/VCOMH: C4_30.1 CONN30.15
/K_B3/C1N: C6_31.2 CONN31.7
/K_B3/C1P: C6_31.1 CONN31.6
/K_B3/C2N: C5_31.2 CONN31.5
/K_B3/C2P: C5_31.1 CONN31.4
/K_B3/CS: CONN31.10 R1_31.2 U8.2
/K_B3/LED_DIN: LED31.4 LED32.2
/K_B3/SW-D: D1_31.2 SW_K_31.2
/K_B3/VCOMH: C4_31.1 CONN31.15
/K_B4/C1N: C6_32.2 CONN32.7
/K_B4/C1P: C6_32.1 CONN32.6
/K_B4/C2N: C5_32.2 CONN32.5
/K_B4/C2P: C5_32.1 CONN32.4
/K_B4/CS: CONN32.10 R1_32.2 U8.3
/K_B4/LED_DIN: LED32.4 LED33.2
/K_B4/SW-D: D1_32.2 SW_K_32.2
/K_B4/VCOMH: C4_32.1 CONN32.15
/K_B5/C1N: C6_33.2 CONN33.7
/K_B5/C1P: C6_33.1 CONN33.6
/K_B5/C2N: C5_33.2 CONN33.5
/K_B5/C2P: C5_33.1 CONN33.4
/K_B5/CS: CONN33.10 R1_33.2 U8.4
/K_B5/LED_DIN: LED33.4 LED34.2
/K_B5/SW-D: D1_33.2 SW_K_33.2
/K_B5/VCOMH: C4_33.1 CONN33.15
/K_B6/C1N: C6_34.2 CONN34.7
/K_B6/C1P: C6_34.1 CONN34.6
/K_B6/C2N: C5_34.2 CONN34.5
/K_B6/C2P: C5_34.1 CONN34.4
/K_B6/CS: CONN34.10 R1_34.2 U8.5
/K_B6/LED_DIN: LED34.4 LED35.2
/K_B6/SW-D: D1_34.2 SW_K_34.2
/K_B6/VCOMH: C4_34.1 CONN34.15
/K_B7/C1N: C6_35.2 CONN35.7
/K_B7/C1P: C6_35.1 CONN35.6
/K_B7/C2N: C5_35.2 CONN35.5
/K_B7/C2P: C5_35.1 CONN35.4
/K_B7/CS: CONN35.10 R1_35.2 U8.6
/K_B7/LED_DIN: LED35.4 LED36.2
/K_B7/SW-D: D1_35.2 SW_K_35.2
/K_B7/VCOMH: C4_35.1 CONN35.15
